# Altium PCB 调偏电路.PcbDoc
Units mm, origin at the board's own origin, x right, y up, seen from the top; angles counter-clockwise.
Board outline 58 x 39 mm, 2 copper layers (Top Layer, Bottom Layer); 35 components, 13 nets, 85 pads, 12 vias.
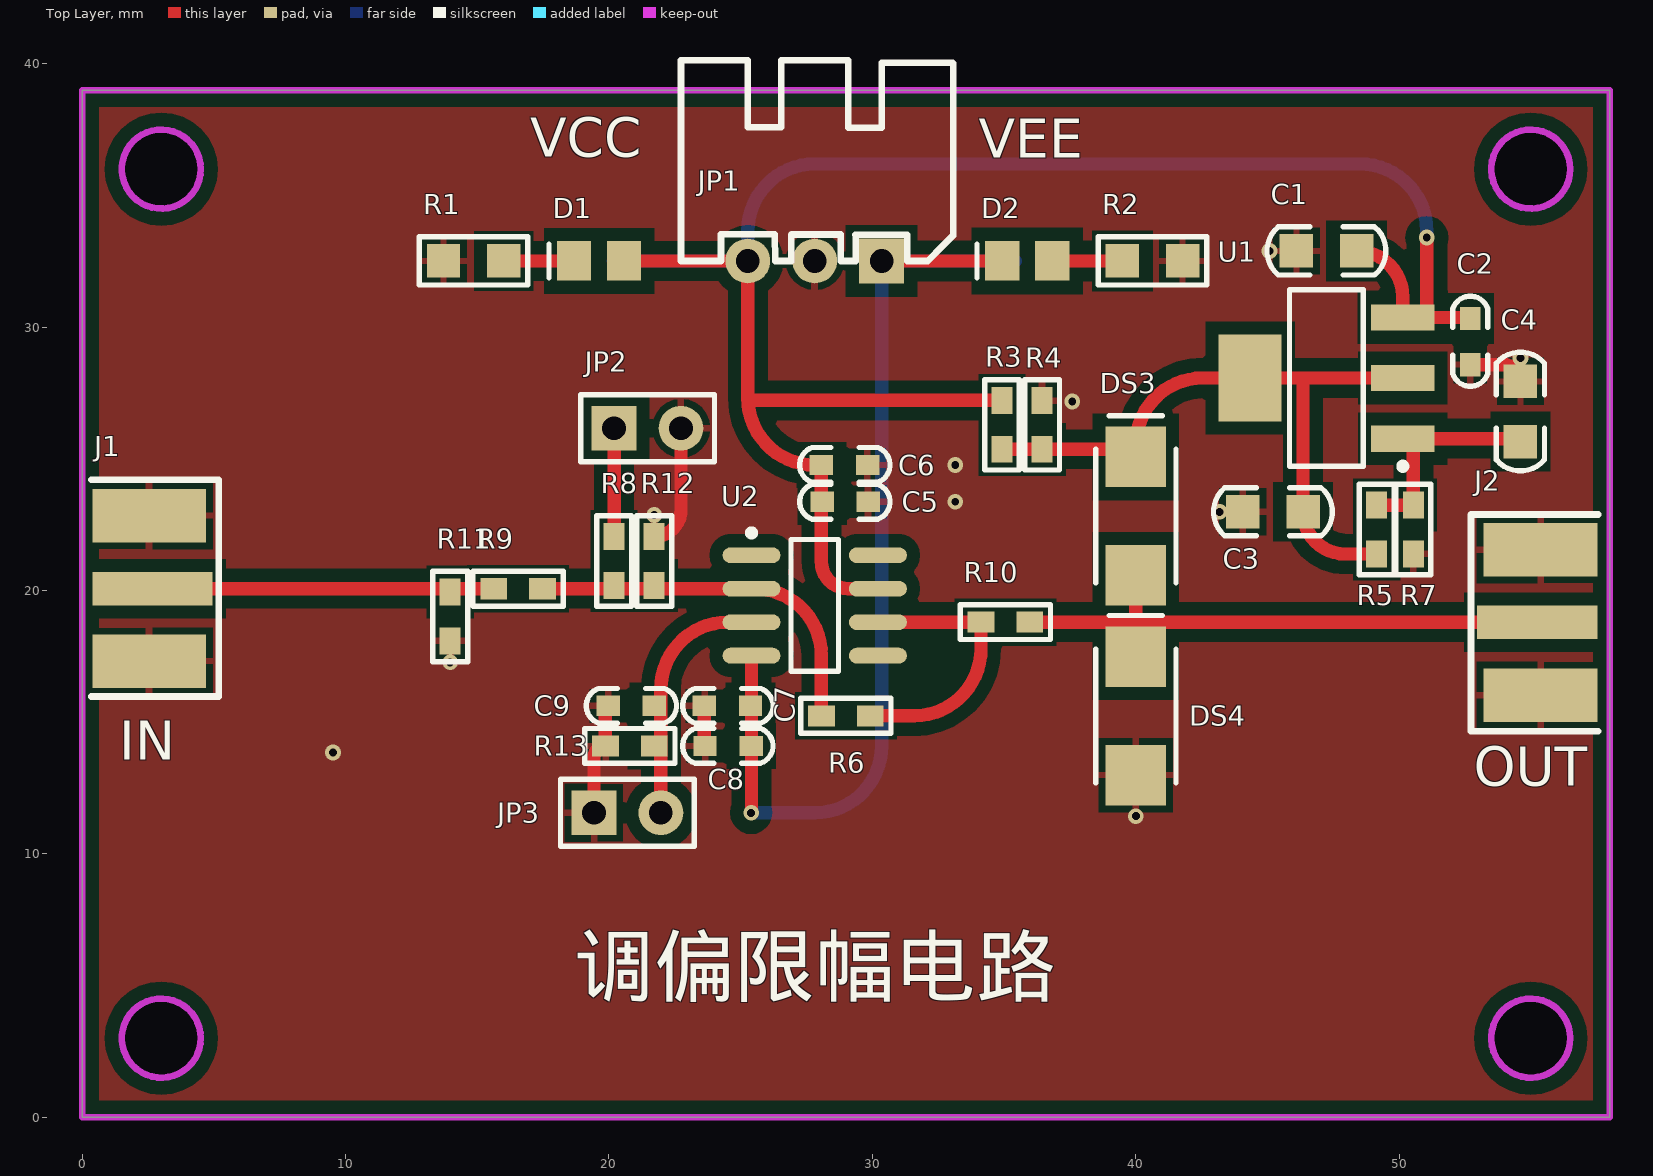
[diagram p0: Top Layer view]
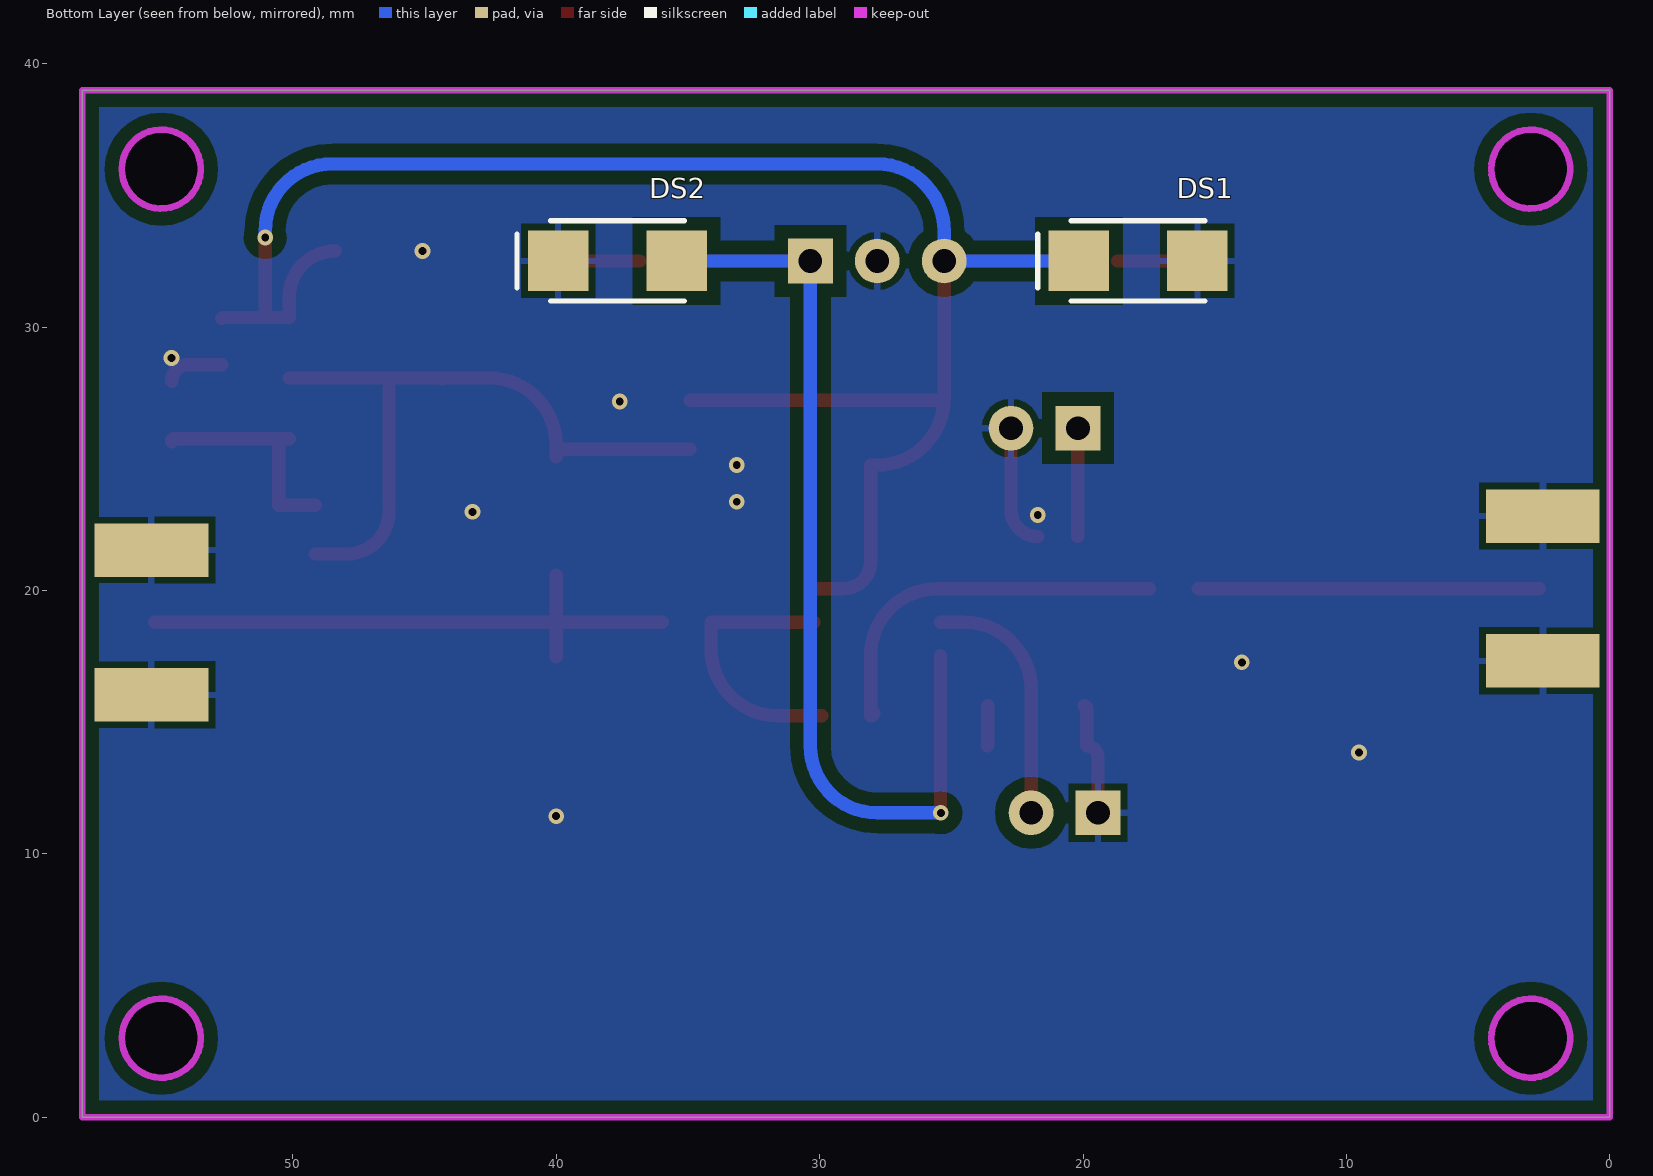
[diagram p1: Bottom Layer view, seen from below]

## Layer stack, top to bottom
Top Solder: solder mask 0.0102, Solder Resist, Dk 3.5
Top Layer: signal copper 0.0356
Dielectric 1: dielectric 0.32, FR-4, Dk 4.8
Bottom Layer: signal copper 0.0356
Bottom Solder: solder mask 0.0102, Solder Resist, Dk 3.5

## Board outline
0,0 0,39 58,39 58,0
cut-out: 53.5,3 ccw(c55,3) 55,1.5 ccw(c55,3) 56.5,3 ccw(c55,3) 55,4.5 ccw(c55,3)
cut-out: 53.5,36 ccw(c55,36) 55,34.5 ccw(c55,36) 56.5,36 ccw(c55,36) 55,37.5 ccw(c55,36)
cut-out: 3,34.5 cw(c3,36) 1.5,36 cw(c3,36) 3,37.5 cw(c3,36) 4.5,36 cw(c3,36)
cut-out: 3,1.5 cw(c3,3) 1.5,3 cw(c3,3) 3,4.5 cw(c3,3) 4.5,3 cw(c3,3)

## Design rules (kind name [scope] priority, off if disabled: settings)
Clearance [All] p1: gap=0.254 ignorepadtopadclearanceinfootprint=FALSE except(0: Arc-Hole Track-Hole SMDPad-Hole THPad-Hole Via-Hole Fill-Hole Poly-Hole Region-Hole Text-Hole; 0.508: Arc-Poly Track-Poly SMDPad-Poly THPad-Poly Via-Poly Fill-Poly Poly-Poly)
MinimumSolderMaskSliver [All] p1: minsoldermaskwidth=0
PlaneConnect [All] p1: planeconnectstyle=Direct reliefexpansion=0.508 reliefentries=4 reliefconductorwidth=0.254 reliefairgap=0.254
PolygonConnect [All] p1: thpad.connectstyle=Relief thpad.reliefconductorwidth=0.254 thpad.reliefentries=4 thpad.polygonreliefangle="90 Angle" thpad.airgapwidth=0.254 smdpad.connectstyle=Relief smdpad.reliefconductorwidth=0.254 smdpad.reliefentries=4 smdpad.polygonreliefangle="90 Angle" smdpad.airgapwidth=0.254 via.connectstyle=Direct via.reliefconductorwidth=0.254 via.reliefentries=4 via.polygonreliefangle="90 Angle" via.airgapwidth=0.254
RoutingVias [All] p1: holewidth=0.711 width=1.524 viastyle="Through Hole" minholewidth=0.3 minwidth=0.6 maxholewidth=0.711 maxwidth=1.778
SilkToSilkClearance [All] p1: silktosilkclearance=0
SilkToSolderMaskClearance [IsPad] p1: minsilkscreentomaskgap=0 clearancetoexposedcopper=TRUE
SolderMaskExpansion [All] p1: expansion=0.102
Width [All] p1: maxlimit=2.54 minlimit=0.025 preferedwidth=0.254
26 further rules are at their usual default settings.

## Components (designator, comment, footprint, x,y, rotation, side; value= is the part's Value field where it differs from the comment)
C1 "10uF" "C 0805" 47.244,32.893 r0 top
C2 "104" "C 0603" 52.705,29.464 r90 top
C3 "22uF" "C 0805" 45.212,22.987 r0 top
C4 "1uF" "C 0805" 54.61,26.797 r270 top
C5 "104" "C 0603" 28.956,23.368 r180 top
C6 "1uF" "C 0603" 28.956,24.765 r0 top
C7 "104" "C 0603" 24.511,15.621 r0 top
C8 "1uF" "C 0603" 24.511,14.097 r180 top
C9 "104" "C 0603" 20.853,15.621 r0 top
D1 "LED" LED_0805 19.624,32.512 r180 top
D2 "LED" LED_0805 35.88,32.512 r180 top
DS1 "D Schottky" DIODE-SMA 17.907,32.512 r0 bottom
DS2 "D Schottky" DIODE-SMA 37.683,32.512 r0 bottom
DS3 "D Schottky" DIODE-SMA 40.005,22.824 r90 top
DS4 "D Schottky" DIODE-SMA 40.005,15.24 r90 top
J1 "COAX" MCX5.08-5-H 2.667,20.066 r0 top
J2 "COAX" MCX5.08-5-H 55.245,18.796 r180 top
JP1 "HDR-1X3" XH2.54-3P_H 30.353,32.512 r180 top
JP2 "HDR-1X2" HDR-1X2 20.193,26.162 r0 top
JP3 "HDR-1X2" HDR-1X2 19.431,11.557 r0 top
R1 "1K" "R 0805" 14.859,32.512 r180 top
R2 "1K" "R 0805" 40.64,32.512 r180 top
R3 "30K" "R 0603" 34.925,26.289 r270 top
R4 "20K" "R 0603" 36.449,26.289 r270 top
R5 "125" "R 0603" 49.149,22.314 r90 top
R6 "200" "R 0603" 28.994,15.24 r0 top
R7 "75" "R 0603" 50.546,22.314 r90 top
R8 "10K" "R 0603" 20.193,21.12 r270 top
R9 "50" "R 0603" 16.548,20.066 r0 top
R10 "50" "R 0603" 35.052,18.796 r0 top
R11 "50" "R 0603" 13.97,19.012 r90 top
R12 "10K" "R 0603" 21.717,21.12 r270 top
R13 "10K" "R 0603" 20.79,14.097 r0 top
U1 "AMS1117-ADJ" SOT223_N 47.244,28.067 r180 top
U2 "OPA690" SOIC8_N 27.813,19.431 r0 top

## Footprints (in the part's own frame and the unit in brackets; to place one, negate y for a bottom-side part, rotate by r counter-clockwise, add the part's x,y. Pads: shape width x height; smd on the part's side, far side on the other; paste and mask are expansions set on the pad)
"C 0603" [mil] "无极性贴片电容"
  rect 35x30 smd: 1(-35,0) 2(34,0)
  silkscreen extent -67,-26 67,26, body extent -31,-16 31,16, height 32
"C 0805" [mil] "无极性贴片电容"
  rect 50x50 smd: 1(-45,0) 2(45,0)
  silkscreen extent -89,-36 89,36, body extent -39,-24 39,24, height 20
DIODE-SMA [mm] "贴片二极管"
  rect 2.3x2.3 smd: 1(-2.25,0) 2(2.25,0)
  silkscreen extent -2.54,-1.52 3.81,1.52, body extent -2.92,-1.4 2.92,1.4, height 3
HDR-1X2 [mm] "排针，2脚"
  rect 1.7x1.7 hole 0.9: 1(0,0)
  round 1.7 hole 0.9: 2(2.54,0)
  silkscreen extent -1.27,-1.27 3.81,1.27, body extent -1.27,-1.27 3.81,1.27, height 8.5
LED_0805 [mm] "贴片二极管"
  rect 1.3x1.5 smd: 1(-0.95,0) 2(0.95,0)
  silkscreen extent 1.91,-0.63 1.91,0.64
MCX5.08-5-H [mil]
  rect 180x50 smd: 1(0,0)
  rect 170x80 smd: 2(-5,109.25) 5(-5,-108.27)
  rect 170x80 smd far side: 3(-5,108.66) 4(-5,-107.87)
  silkscreen extent -92,-161 99,163, body extent -93,-132 80,134, height 39
"R 0603" [mil] "1/10W贴片电阻"
  rect 40x31.5 smd: 1(-36.5,0) 2(36.5,0)
  silkscreen extent -68,-26 68,26, body extent -31,-16 32,16, height 16
"R 0805" [mil] "1/8W贴片电阻"
  rect 50x50 smd: 1(-45,0) 2(45,0)
  silkscreen extent -81,-36 81,36, body extent -39,-25 39,25, height 20
SOIC8_N [mm] "8-Pin Small Outline Integrated Circuit Package (SOIC8), IPC Medium Density"
  oval 2.2x0.6 smd: 1(-2.4,1.905) 2(-2.4,0.635) 3(-2.4,-0.635) 4(-2.4,-1.905) 5(2.4,-1.905) 6(2.4,-0.635) 7(2.4,0.635) 8(2.4,1.905)
  silkscreen extent -2.52,-2.5 0.9,2.88, body extent -1.95,-2.45 1.95,2.45, height 1.75
SOT223_N [mm] "SOT223, 4-Leads, Body 6.5x3.5mm, Pitch 2.3mm, Lead Span 7mm, IPC Medium Density"
  rect 2.4x1 smd: 1(-2.9,2.3) 2(-2.9,0) 3(-2.9,-2.3)
  rect 2.4x3.3 smd: 2(2.9,0)
  silkscreen extent -3.03,-3.35 1.4,3.47, body extent -1.85,-3.35 1.85,3.35, height 1.7
XH2.54-3P_H [mm] "接插件，3P"
  rect 1.7x1.7 hole 0.9: 1(0,0)
  round 1.7 hole 0.9: 2(2.54,0) 3(5.08,0)
  silkscreen extent -2.72,-7.62 7.62,0, body extent -2.5,-7.35 7.58,0.35, height 5.73

## Part data
C1 C2 C3 C4 C5 C6 C7 C8 C9: library part C, "无极性贴片电容"
D1 D2: "发光二极管", LatestRevisionDate=08-Jul-2005, LatestRevisionNote="Mech Layer 1 removed.", PackageReference=LED, Published=8-Jun-2000, Publisher="Altium Limited"
DS1 DS2 DS3 DS4: "Schottky Diode", Code_JEDEC=DO-214-AA, LatestRevisionDate=17-Jul-2002, LatestRevisionNote="Re-released for DXP Platform.", PackageDescription="DO-214-AA/SMB; 2 C-Bend Leads; Body 5.3 x 3.6 mm, inc. leads (LxW)", PackageReference=SMB, Published=8-Jun-2000, Publisher="Altium Limited"
JP1: library part "Header 3", "3P接插件", BOM名称=3P接, 学习资源=www.ooocke.
JP2 JP3: library part "Header 2", "2P接插件"
  JP2: BOM名称=2P接插件, 学习资源=www.ooocke.com, 版权归属=源创客
  JP3: BOM名称=2P接, 学习资源=www.ooocke.
R1 R2 R3 R4 R5 R6 R7 R8 R9 R10 R11 R12 R13: library part R, "贴片电阻"
U1: library part ASM1117, "线性稳压芯片"
U2: library part OPA690ID, "具有禁用功能的宽带电压反馈运算放大器"

## Via types
v1: diameter 0.6, hole 0.3, Top Layer to Bottom Layer, tented both sides, 9 vias
v2: diameter 0.6, hole 0.3, Top Layer to Bottom Layer, 3 vias

## Nets (pads, with @x,y where several pads share a name; then routed paths per layer and width w, separated by ;. In a path a pad name is that pad's centre, name@x,y a point inside that pad or via, vN(x,y) a via of type N, cw(c..) or ccw(c..) an arc to the next point about the centre after c; other vN are vias at no path point)
GND: C1.1 C2.1 C3.1 C4.1 C5.1 C6.2 C7.1 C8.2 C9.1 DS1.1 DS2.2 DS4.1 J1.2 J1.3 J1.4 J1.5 J2.2 J2.3 J2.4 J2.5 JP1.2 JP2.2 JP3.1 R1.2 R2.1 R4.1 R7.1 R11.1 R12.1 R13.1 | length 12.9
  Top Layer w0.508: JP3.1 19.431,13.665 cw(c19.863,13.665) R13.1 19.863,15.519 cw(c19.964,15.519) C9.1 ; R12.1 ccw(c21.717,23.063) 22.733,23.063 JP2.2 ; C7.1 23.622,14.122 ccw(c23.647,14.122) C8.2 ; C2.1 53.975,28.575 cw(c53.975,27.94) C4.1
  other v1: 40.005,11.43 13.97,17.272 21.717,22.86 43.18,22.987 33.147,23.368 33.147,24.765 37.592,27.178 54.61,28.829 45.085,32.893
  other v2: 9.525,13.843
NetC3_2: C3.2 DS3.2 R3.2 R4.2 R5.1 U1.2 | length 25.9
  Top Layer w0.508: R3.2 R4.2 39.717,25.362 cw(c39.717,25.074) DS3.2 40.005,25.527 cw(c42.545,25.527) 42.545,28.067 U1.2@44.344,28.067 ; U1.2@44.323,28.046 U1.2@44.344,28.067 ; C3.2 ccw(c47.955,22.987) 47.955,21.387 R5.1 ; C3.2@46.355,23.203 46.355,28.067 ; U1.2@50.144,28.067 46.355,28.067 ; U1.2@44.344,28.067 46.355,28.067
NetC4_2: C4.2 R5.2 R7.2 U1.1 | length 8.4
  Top Layer w0.508: R5.2 R7.2 50.546,25.646 U1.1@50.61,25.71 ; U1.1 54.497,25.767 cw(c54.497,25.654) C4.2
NetC9_2: C9.2 JP3.2 R13.2 U2.3 | length 9.6
  Top Layer w0.508: JP3.2 21.971,16.256 cw(c24.511,16.256) 24.511,18.796 U2.3
NetD1_2: D1.2 R1.1 | length 2.7
  Top Layer w0.508: R1.1@15.875,32.512 R1.1 ; R1.1@16.129,32.512 D1.2
NetD2_1: D2.1 R2.2 | length 2.7
  Top Layer w0.508: D2.1 R2.2
NetDS3_1: DS3.1 DS4.2 J2.1 R10.2 | length 22.3
  Top Layer w0.508: R10.2 40.005,18.796 ; DS4.2 40.005,18.796 ; DS3.1 40.005,18.796 ; J2.1 40.005,18.796
NetJ1_1: J1.1 R9.1 R11.2 | length 13
  Top Layer w0.508: J1.1 R9.1
NetJP2_1: JP2.1 R8.1 | length 4.1
  Top Layer w0.508: R8.1 JP2.1
NetR6_1: R6.1 R8.2 R9.2 R12.2 U2.2 | length 14.5
  Top Layer w0.508: R9.2 U2.2 25.527,20.066 cw(c25.527,17.526) 28.067,17.526 R6.1 cw(c28.067,15.367) R6.1@27.94,15.367
NetR6_2: R6.2 R10.1 U2.6 | length 10.6
  Top Layer w0.508: R6.2 31.585,15.24 ccw(c31.585,17.78) 34.125,17.78 R10.1 U2.6
VCC: C1.2 C2.2 C5.2 C6.1 D1.1 DS1.2 JP1.3 R3.1 U1.3 U2.7 | length 74.8
  Top Layer w0.508: D1.1 JP1.3 25.273,27.305 ; U2.7 29.083,20.066 cw(c29.083,21.082) 28.067,21.082 C6.1 27.813,24.765 cw(c27.813,27.305) 25.273,27.305 ; R3.1 25.362,27.216 cw(c25.362,27.305) 25.273,27.305 ; C1.2 cw(c48.387,31.136) 50.144,31.136 U1.3 U1.3@50.77,30.367 ; v2(51.054,33.401) 51.054,30.651 cw(c50.77,30.651) U1.3@50.77,30.367 ; C2.2 52.666,30.367 U1.3@50.77,30.367
  Bottom Layer w0.508: DS1.2 JP1.3 25.273,33.655 cw(c27.813,33.655) 27.813,36.195 48.514,36.195 cw(c48.514,33.655) 51.054,33.655 v2(51.054,33.401)
VEE: C7.2 C8.1 D2.2 DS2.1 JP1.1 U2.4 | length 40.5
  Top Layer w0.508: v2(25.4,11.557) 25.413,11.557 U2.4 ; JP1.1 D2.2
  Bottom Layer w0.508: v2(25.4,11.557) 27.813,11.557 ccw(c27.813,14.097) 30.353,14.097 JP1.1 DS2.1
pads on no net: U2.1 U2.5 U2.8

## Polygon pours and split planes (outlines as drawn)
GND on Bottom Layer "Top Layer-No Net" (solid, remove dead copper, pour order 14): 0,0 0,39 58,39 58,0
GND on Top Layer "Top Layer-No Net1" (solid, remove dead copper, pour order 15): 0,0 0,39 58,39 58,0

## Keep-outs
Keep-Out Layer:
  circle w0.254: c3,3 r1.5
  circle w0.254: c55,3 r1.5
  circle w0.254: c55,36 r1.5
  circle w0.254: c3,36 r1.5
  lines w0.254: 0,0 0,39 58,39 58,0 0,0

## Silkscreen, mask and mechanical layers (free items; w line width, h text height)
Top Overlay:
  text "VCC" at 17.018,35.969 h2.54
  text "VEE" at 34.036,35.941 h2.54
  text "IN" at 1.397,13.081 h2.54
  text "OUT" at 52.832,12.096 h2.54
  text "调偏限幅电路" at 18.669,3.905 h3.81